# Altium PCB Mirny.PcbDoc (part 2 of 8)
Units mm, origin at the board's own origin, x right, y up, seen from the top; angles counter-clockwise.
Board outline 161.99 x 100.04 mm, 6 copper layers (L1, P2, L3, L4, P5, L6), stack 1.56 mm thick; 832 components, 485 nets, 2438 pads, 1482 vias.
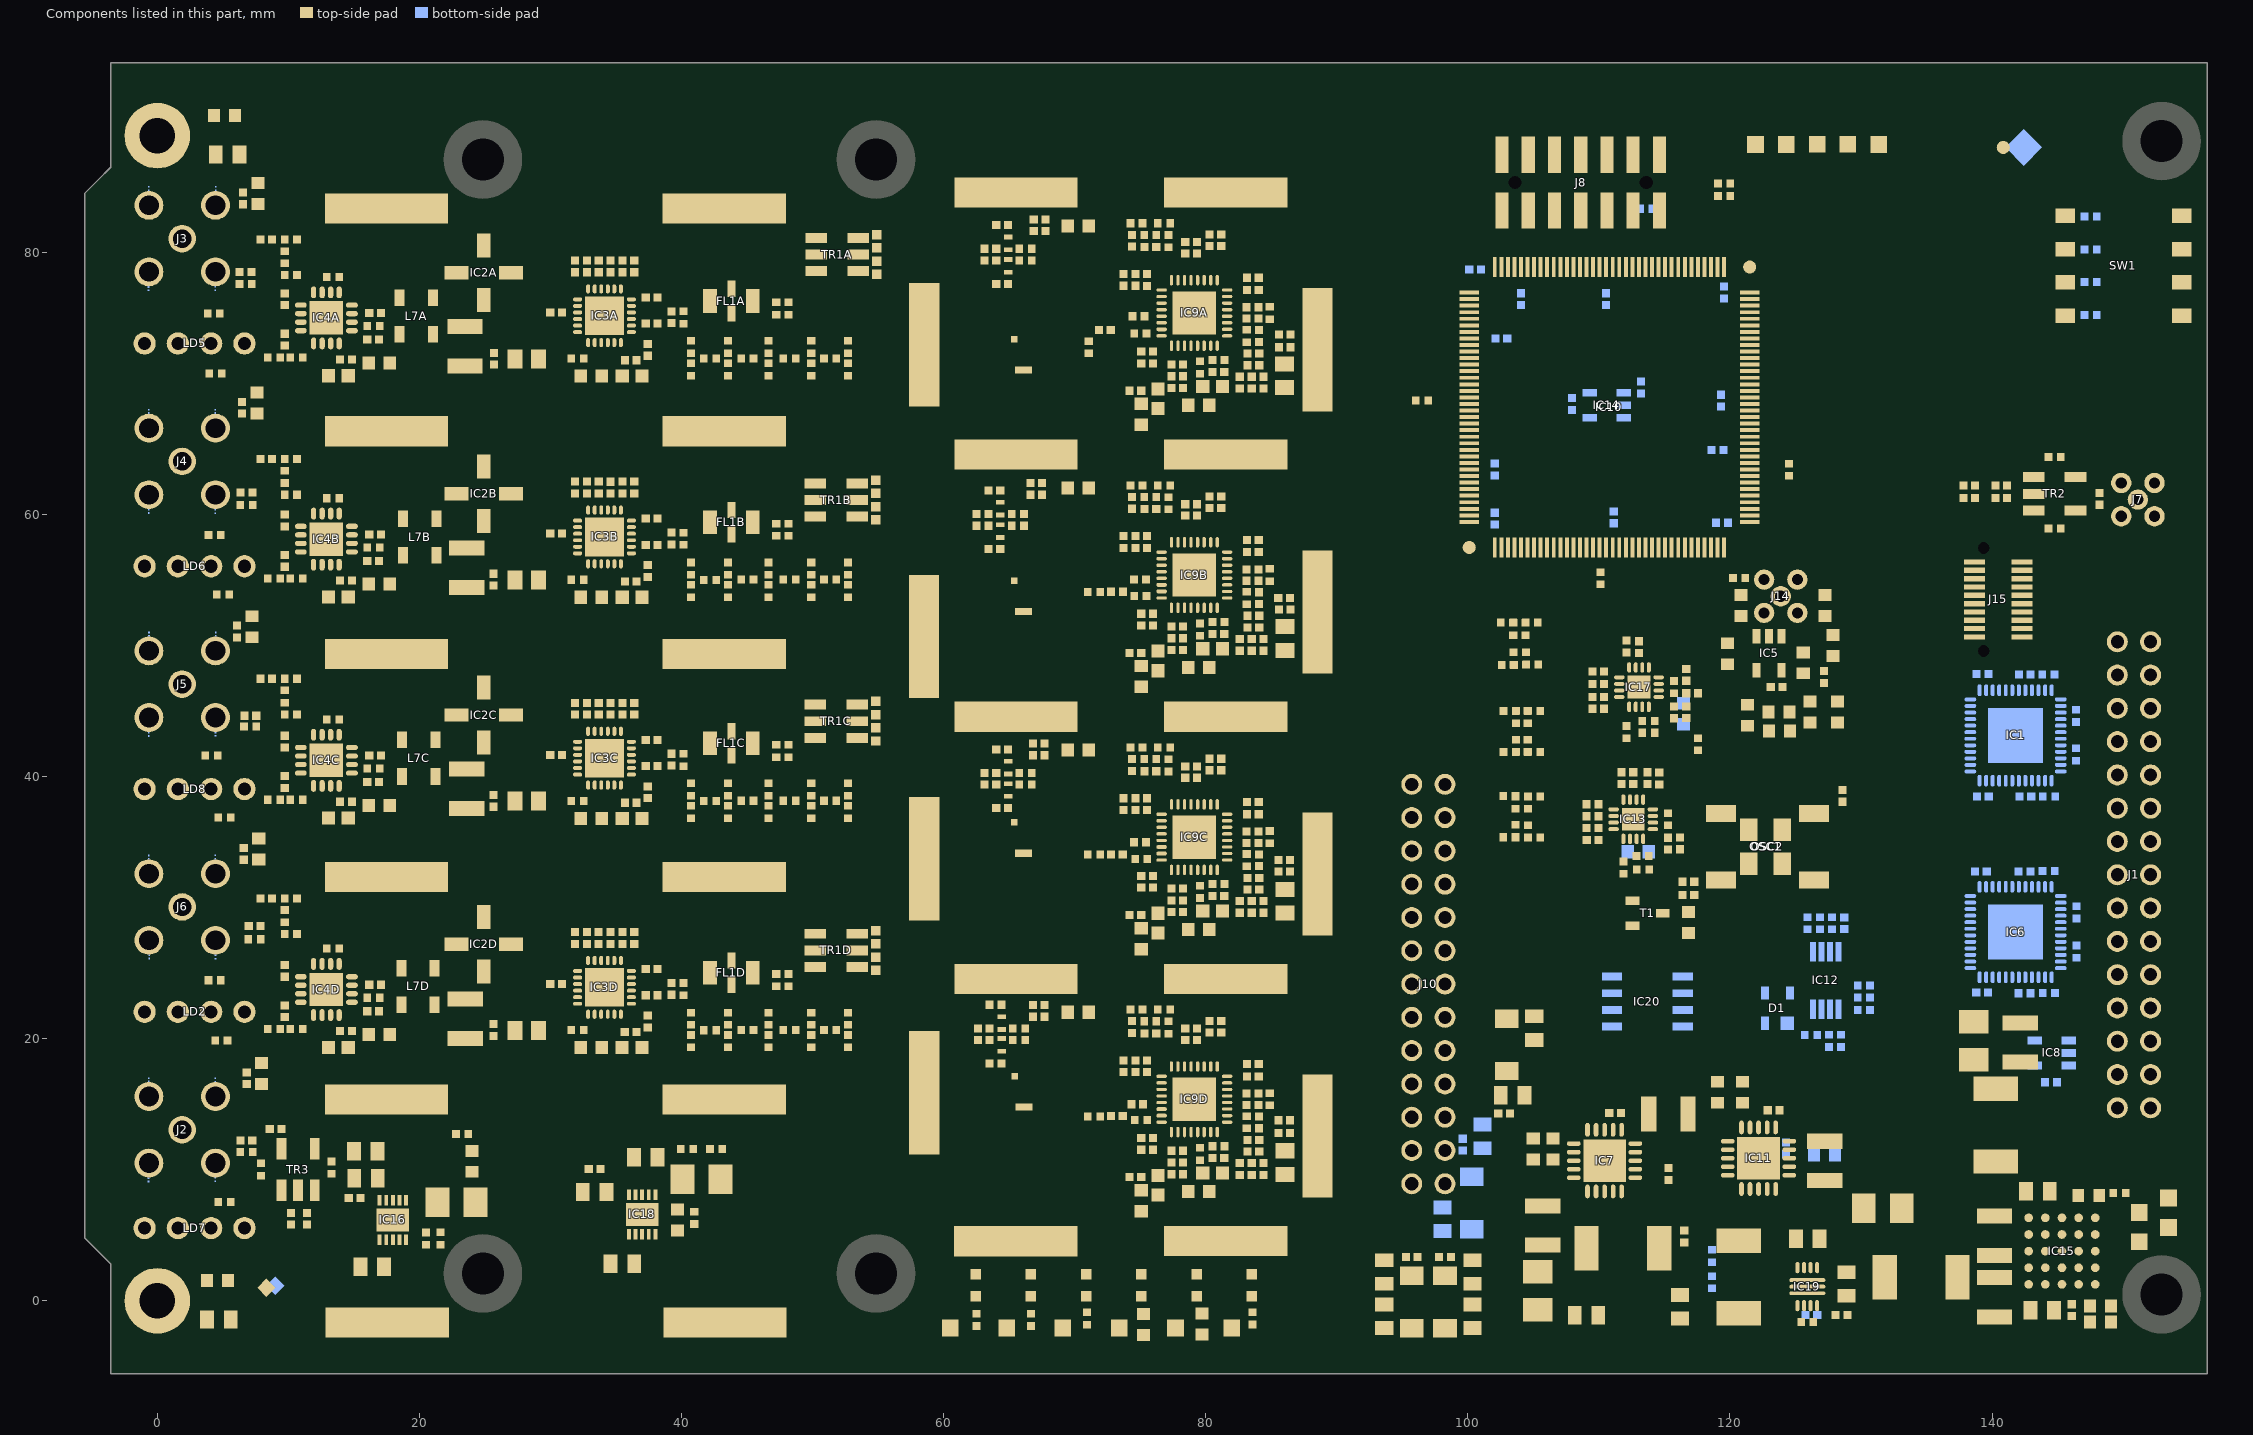
[diagram p6: the components of this part, seen from the top]

## Components (designator, comment, footprint, x,y, rotation, side; value= is the part's Value field where it differs from the comment) (continued)
IC4A "HMC349ALP4CE" QFN65P400X400X100-17N-S255 12.902,75 r180 top (schematic designator IC4)
IC4B "HMC349ALP4CE" QFN65P400X400X100-17N-S255 12.902,58.12 r180 top (schematic designator IC4)
IC4C "HMC349ALP4CE" QFN65P400X400X100-17N-S255 12.902,41.241 r180 top (schematic designator IC4)
IC4D "HMC349ALP4CE" QFN65P400X400X100-17N-S255 12.9,23.754 r180 top (schematic designator IC4)
IC5 "LMV321ILT" SOT95P280X145-5N 122.985,49.411 r270 top
IC6 "SN65MLVD040RGZT" QFN50P700X700X100-49N-S420 141.794,28.138 r180 bottom
IC7 "TPS74901RGWT" QFN65P500X500X100-21N-S325 110.431,10.695 r90 top
IC8 "24AA02E48T-I/OT" SOT95P280X145-5N 144.544,18.913 r180 bottom
IC9A "ADF4355" CP-32-7_N 79.13,75.378 r270 top (schematic designator IC9)
IC9B "ADF4355" CP-32-7_N 79.13,55.378 r270 top (schematic designator IC9)
IC9C "ADF4355" CP-32-7_N 79.13,35.378 r270 top (schematic designator IC9)
IC9D "ADF4355" CP-32-7_N 79.13,15.378 r270 top (schematic designator IC9)
IC10 "XC2C128-6TQG144C" QFP50P2200X2200X160-144N 110.804,68.184 r0 top
IC11 "TPS74901RGWT" QFN65P500X500X100-21N-S325 122.181,10.88 r90 top
IC12 "LM75AIMM/NOPB" SOP65P490X109-8N 127.317,24.442 r90 bottom
IC13 "Si53340-B-GM" QFN50P300X300X90-17N-S175 112.622,36.744 r90 top
IC14 "LP3990MF-1.8/NOPB" SOT95P284X122-5N 110.594,68.336 r180 bottom
IC15 "LTM4622AEV#PBF" LGA25C127P5X5_625X625X190 145.334,3.791 r0 top
IC16 "LT3045EDD#PBF" SON50P300X300X80-11N-R175X248 17.97,6.175 r90 top
IC17 "Si53340-B-GM" QFN50P300X300X90-17N-S175 113.059,46.825 r90 top
IC18 "LT3045EDD#PBF" SON50P300X300X80-11N-R175X248 37,6.597 r90 top
IC19 "TPS62148RGX" TEXAS_RGX0011A 125.902,1.077 r180 top
IC20 "24AA02E48-I/SN" SOIC127P600X175-8N 113.699,22.828 r180 bottom
J1 "" 3M_N2530-6002RB 150.828,32.507 r270 top locked
J2 "DELOCK_65848" Delock 1.9,13.05 r180 top locked
J3 "DELOCK_65848" Delock 1.9,81.05 r180 top locked
J4 "DELOCK_65848" Delock 1.9,64.05 r180 top locked
J5 "DELOCK_65848" Delock 1.9,47.05 r180 top locked
J6 "DELOCK_65848" Delock 1.9,30.05 r180 top locked
J7 "MMCX" SAMTEC_MMCX-J-P-H-ST-TH1 151.125,61.137 r180 top locked
J8 "Milli-Grid™" MOLEX_87832-1420 108.611,85.324 r180 top
J9 "SMP" MOLEX_85305-0232 63.04,71.01 r270 top
J10 "Header 26" 3M_N2526-6002RB 96.989,24.169 r270 top locked
J11 "SMP" MOLEX_85305-0232 63.041,52.583 r270 top
J12 "SMP" MOLEX_85305-0232 63.04,34.149 r270 top
J13 "SMP" MOLEX_85305-0232 63.079,14.783 r270 top
J14 "MMCX" SAMTEC_MMCX-J-P-H-ST-TH1 123.876,53.759 r0 top
J15 "" SAMTEC_LSS-110-01-L-DV-A 140.469,53.513 r90 top
L1 "120R@100MHz" INDC1608X95N 116.828,28.867 r270 top
L2 "1.5uH" IND_TDK_SPM6530 134.584,1.791 r180 top
L3 "120R@100MHz" INDC1608X95N 116.447,44.806 r270 bottom
L4 "1.5uH" IND_TDK_SPM6530 120.661,1.816 r90 top
L5 "1.5uH" IND_TDK_SPM6530 111.831,4.013 r180 top
L6A "120R@100MHz" INDC1608X95N 75.078,67.638 r270 top (schematic designator L6)
L6B "120R@100MHz" INDC1608X95N 75.078,47.638 r270 top (schematic designator L6)
L6C "120R@100MHz" INDC1608X95N 75.078,27.638 r270 top (schematic designator L6)
L6D "120R@100MHz" INDC1608X95N 75.078,7.638 r270 top (schematic designator L6)
L7A "0.5uH@200mA" IND_MINI-CIRCUITS_GU1604 19.753,75.137 r180 top (schematic designator L7)
L7B "0.5uH@200mA" IND_MINI-CIRCUITS_GU1604 20.031,58.273 r180 top (schematic designator L7)
L7C "0.5uH@200mA" IND_MINI-CIRCUITS_GU1604 19.952,41.406 r180 top (schematic designator L7)
L7D "0.5uH@200mA" IND_MINI-CIRCUITS_GU1604 19.894,23.989 r180 top (schematic designator L7)
L8A "390R@100MHz" INDC1608X95N 16.948,71.564 r0 top (schematic designator L8)
L8B "390R@100MHz" INDC1608X95N 16.948,54.685 r0 top (schematic designator L8)
L8C "390R@100MHz" INDC1608X95N 16.948,37.806 r0 top (schematic designator L8)
L8D "390R@100MHz" INDC1608X95N 16.946,20.318 r0 top (schematic designator L8)
L9A "390R@100MHz" INDC1608X95N 33.123,70.564 r0 top (schematic designator L9)
L9B "390R@100MHz" INDC1608X95N 33.123,53.685 r0 top (schematic designator L9)
L9C "390R@100MHz" INDC1608X95N 33.123,36.806 r0 top (schematic designator L9)
L9D "390R@100MHz" INDC1608X95N 33.121,19.318 r0 top (schematic designator L9)
L10 "180R@100MHz" INDC4516X180N 102.964,19.529 r90 top
L11A "4.7uH" INDC2012X145N 86.027,70.58 r90 top (schematic designator L11)
L11B "4.7uH" INDC2012X145N 86.043,50.536 r90 top (schematic designator L11)
L11C "4.7uH" INDC2012X145N 86.043,30.489 r90 top (schematic designator L11)
L11D "4.7uH" INDC2012X145N 86.043,10.552 r90 top (schematic designator L11)
L12 "180R@100MHz" INDC4516X180N 100.291,7.469 r90 bottom
L13 "120R@100MHz" INDC1608X95N 113.018,34.265 r180 bottom
L14 "180R@100MHz" INDC4516X180N 95.719,-0.088 r90 top
L15 "1.5uH" IND_TDK_SPM6530 140.267,13.411 r90 top
L16A "7.5nH" IND_COILCRAFT_0402DC 64.92,80.683 r270 top (schematic designator L16)
L16B "7.5nH" IND_COILCRAFT_0402DC 64.325,60.438 r270 top (schematic designator L16)
L16C "7.5nH" IND_COILCRAFT_0402DC 64.92,40.683 r270 top (schematic designator L16)
L16D "7.5nH" IND_COILCRAFT_0402DC 64.44,21.184 r270 top (schematic designator L16)
L17A "7.5nH" IND_COILCRAFT_0402DC 64.92,78.978 r90 top (schematic designator L17)
L17B "7.5nH" IND_COILCRAFT_0402DC 64.325,58.733 r90 top (schematic designator L17)
L17C "7.5nH" IND_COILCRAFT_0402DC 64.92,38.978 r90 top (schematic designator L17)
L17D "7.5nH" IND_COILCRAFT_0402DC 64.44,19.533 r90 top (schematic designator L17)
L18A "120R@100MHz" INDC1608X95N 70.273,82.017 r0 top (schematic designator L18)
L18B "120R@100MHz" INDC1608X95N 70.273,62.017 r0 top (schematic designator L18)
L18C "120R@100MHz" INDC1608X95N 70.273,42.016 r0 top (schematic designator L18)
L18D "120R@100MHz" INDC1608X95N 70.273,22.016 r0 top (schematic designator L18)
L20A "120R@100MHz" INDC1608X95N 79.474,68.336 r0 top (schematic designator L20)
L20B "120R@100MHz" INDC1608X95N 79.474,48.336 r0 top (schematic designator L20)
L20C "120R@100MHz" INDC1608X95N 79.474,28.336 r0 top (schematic designator L20)
L20D "120R@100MHz" INDC1608X95N 79.474,8.336 r0 top (schematic designator L20)
L21 "180R@100MHz" INDC4516X180N 98.259,-0.088 r270 top
LD2 "Red/Green" LED_DIALIGHT_571-0112F -0.971,22.05 r0 top locked
LD3 "Green" LED_KINGBRIGHT_KPH-1608CGCKr 83.524,1.185 r270 top
LD4 "Green" LED_KINGBRIGHT_KPH-1608CGCKr 70.876,1.185 r270 top
LD5 "Red/Green" LED_DIALIGHT_571-0112F -0.971,73.05 r0 top locked
LD6 "Red/Green" LED_DIALIGHT_571-0112F -0.971,56.05 r0 top locked
LD7 "Red/Green" LED_DIALIGHT_571-0112F -0.971,5.55 r0 top locked
LD8 "Red/Green" LED_DIALIGHT_571-0112F -0.971,39.05 r0 top locked
LD9 "Green" LED_KINGBRIGHT_KPH-1608CGCKr 75.092,1.185 r270 top
LD10 "Green" LED_KINGBRIGHT_KPH-1608CGCKr 62.444,1.185 r270 top
LD11 "Green" LED_KINGBRIGHT_KPH-1608CGCKr 66.66,1.185 r270 top
LD12 "Green" LED_KINGBRIGHT_KPH-1608CGCKr 79.308,1.185 r270 top
NT1 "Net Tie" "Net Tie" 4.414,77.371 r270 bottom net-tie
NT2 "Net Tie" "Net Tie" -0.667,77.353 r270 bottom net-tie
NT3 "Net Tie" "Net Tie" -0.654,84.75 r90 bottom net-tie
NT4 "Net Tie" "Net Tie" 4.462,84.748 r90 bottom net-tie
NT5 "Net Tie" "Net Tie" 4.428,60.359 r270 bottom net-tie
NT6 "Net Tie" "Net Tie" 4.428,67.749 r90 bottom net-tie
NT7 "Net Tie" "Net Tie" -0.641,67.749 r90 bottom net-tie
NT8 "Net Tie" "Net Tie" -0.659,60.361 r270 bottom net-tie
NT9 "Net Tie" "Net Tie" 4.45,50.745 r90 bottom net-tie
NT10 "Net Tie" "Net Tie" -0.642,43.356 r270 bottom net-tie
NT11 "Net Tie" "Net Tie" 4.441,43.358 r270 bottom net-tie
NT12 "Net Tie" "Net Tie" -0.63,50.745 r90 bottom net-tie
NT13 "Net Tie" "Net Tie" 4.428,33.74 r90 bottom net-tie
NT14 "Net Tie" "Net Tie" -0.615,26.368 r270 bottom net-tie
NT15 "Net Tie" "Net Tie" 4.445,26.364 r270 bottom net-tie
NT16 "Net Tie" "Net Tie" -0.66,33.73 r90 bottom net-tie
NT17 "Net Tie" "Net Tie" 4.426,9.381 r270 bottom net-tie
NT18 "Net Tie" "Net Tie" -0.675,9.358 r270 bottom net-tie
NT19 "Net Tie" "Net Tie" 4.418,16.727 r90 bottom net-tie
NT20 "Net Tie" "Net Tie" -0.649,16.74 r90 bottom net-tie
OSC1 "510CCA100M000BAG" 510CBA49M1520BAG 123.114,34.646 r90 top
OSC2 "100MHz" OSC_CRYSTEK_CCHD-950 122.86,34.646 r180 top
R1 "10k" RESC1005X40N 124.504,63.415 r90 top
R2 "4k99" RESC1608X55N 119.812,49.378 r270 top
R3 "49R9" RESC1005X40N 115.726,46.825 r270 top
R4A "100" RESC1005X40N 84.882,75.378 r270 top (schematic designator R4)
R4B "100" RESC1005X40N 84.882,55.378 r270 top (schematic designator R4)
R4C "100" RESC1005X40N 84.882,35.378 r270 top (schematic designator R4)
R4D "100" RESC1005X40N 84.882,15.378 r270 top (schematic designator R4)
R5 "0" RESC1005X40N 103.167,38.507 r0 top
R6A "0" RESC1005X40N 66.254,80.275 r180 top (schematic designator R6)
R6B "0" RESC1005X40N 65.659,60.03 r180 top (schematic designator R6)
R6C "0" RESC1005X40N 66.254,40.275 r180 top (schematic designator R6)
R6D "0" RESC1005X40N 65.746,20.783 r180 top (schematic designator R6)
R7 "100" RESC1005X40N 144.294,47.788 r0 bottom
R8A "0" RESC1005X40N 66.254,79.386 r180 top (schematic designator R8)
R8B "0" RESC1005X40N 65.659,59.141 r180 top (schematic designator R8)
R8C "0" RESC1005X40N 66.254,39.386 r180 top (schematic designator R8)
R8D "0" RESC1005X40N 65.746,19.894 r180 top (schematic designator R8)
R9 "100" RESC1005X40N 146.419,44.638 r270 bottom
R10 "470" RESC1005X40N 112.106,43.387 r90 top
R11 "100" RESC1005X40N 146.394,41.688 r270 bottom
R12A "0" RESC1005X40N 83.125,73.622 r270 top (schematic designator R12)
R12B "0" RESC1005X40N 83.125,53.622 r270 top (schematic designator R12)
R12C "0" RESC1005X40N 83.125,33.622 r270 top (schematic designator R12)
R12D "0" RESC1005X40N 83.125,13.622 r270 top (schematic designator R12)
R13 "100" RESC1005X40N 144.344,38.488 r180 bottom
R14A "1k2" RESC1005X40N 75.766,81.332 r0 top (schematic designator R14)
R14B "1k2" RESC1005X40N 75.766,61.332 r0 top (schematic designator R14)
R14C "1k2" RESC1005X40N 75.766,41.332 r0 top (schematic designator R14)
R14D "1k2" RESC1005X40N 75.766,21.332 r0 top (schematic designator R14)
R15A "4k7" RESC1005X40N 79.569,71.209 r270 top (schematic designator R15)
R15B "4k7" RESC1005X40N 79.569,51.209 r270 top (schematic designator R15)
R15C "4k7" RESC1005X40N 79.569,31.209 r270 top (schematic designator R15)
R15D "4k7" RESC1005X40N 79.569,11.209 r270 top (schematic designator R15)
R16 "100" RESC1005X40N 144.319,32.788 r0 bottom
R17A "1k2" RESC1005X40N 77.162,80.856 r90 top (schematic designator R17)
R17B "1k2" RESC1005X40N 77.162,60.856 r90 top (schematic designator R17)
R17C "1k2" RESC1005X40N 77.162,40.856 r90 top (schematic designator R17)
R17D "1k2" RESC1005X40N 77.162,20.856 r90 top (schematic designator R17)
R18A "1k2" RESC1005X40N 76.822,82.221 r180 top (schematic designator R18)
R18B "1k2" RESC1005X40N 76.822,62.221 r180 top (schematic designator R18)
R18C "1k2" RESC1005X40N 76.822,42.221 r180 top (schematic designator R18)
R18D "1k2" RESC1005X40N 76.822,22.221 r180 top (schematic designator R18)
R19A "0" RESC1005X40N 52.698,72.777 r270 top (schematic designator R19)
R19B "0" RESC1005X40N 52.698,55.865 r270 top (schematic designator R19)
R19C "0" RESC1005X40N 52.696,39.018 r270 top (schematic designator R19)
R19D "0" RESC1005X40N 52.696,21.523 r270 top (schematic designator R19)
R20A "0" RESC1005X40N 49.898,72.777 r270 top (schematic designator R20)
R20B "0" RESC1005X40N 49.898,55.865 r270 top (schematic designator R20)
R20C "0" RESC1005X40N 49.898,39.018 r270 top (schematic designator R20)
R20D "0" RESC1005X40N 49.896,21.523 r270 top (schematic designator R20)
R21 "100" RESC1005X40N 146.444,29.638 r270 bottom
R22A "0" RESC1005X40N 46.648,72.777 r270 top (schematic designator R22)
R22B "0" RESC1005X40N 46.648,55.865 r270 top (schematic designator R22)
R22C "0" RESC1005X40N 46.648,39.018 r270 top (schematic designator R22)
R22D "0" RESC1005X40N 46.646,21.523 r270 top (schematic designator R22)
R23 "4k7" RESC1608X55N 106.494,11.586 r270 top
R24 "100" RESC1005X40N 146.444,26.638 r270 bottom
R25 "470" RESC1005X40N 4.373,24.457 r180 top
R26 "470" RESC1005X40N 4.884,19.85 r0 top
R27 "470" RESC1005X40N 4.307,75.325 r180 top
R28 "470" RESC1005X40N 4.434,70.764 r180 top
R29 "470" RESC1005X40N 4.373,58.445 r180 top
R30 "470" RESC1005X40N 5.007,53.885 r0 top
R31A "0" RESC1005X40N 43.548,72.777 r270 top (schematic designator R31)
R31B "0" RESC1005X40N 43.548,55.865 r270 top (schematic designator R31)
R31C "0" RESC1005X40N 43.548,39.018 r270 top (schematic designator R31)
R31D "0" RESC1005X40N 43.546,21.523 r270 top (schematic designator R31)
R32A "0" RESC1005X40N 40.723,72.777 r270 top (schematic designator R32)
R32B "0" RESC1005X40N 40.725,55.865 r270 top (schematic designator R32)
R32C "0" RESC1005X40N 40.723,39.018 r270 top (schematic designator R32)
R32D "0" RESC1005X40N 40.721,21.523 r270 top (schematic designator R32)
R33 "10k" RESC1005X40N 83.578,-1.334 r90 top
R34A "0" RESC1005X40N 51.34,71.914 r180 top (schematic designator R34)
R34B "0" RESC1005X40N 51.34,55.035 r180 top (schematic designator R34)
R34C "0" RESC1005X40N 51.34,38.156 r180 top (schematic designator R34)
R34D "0" RESC1005X40N 51.338,20.668 r180 top (schematic designator R34)
R35 "100" RESC1005X40N 144.336,23.484 r180 bottom
R36A "0" RESC1005X40N 48.24,71.914 r180 top (schematic designator R36)
R36B "0" RESC1005X40N 48.24,55.035 r180 top (schematic designator R36)
R36C "0" RESC1005X40N 48.24,38.156 r180 top (schematic designator R36)
R36D "0" RESC1005X40N 48.238,20.668 r180 top (schematic designator R36)
R37A "0" RESC1005X40N 45.024,71.914 r180 top (schematic designator R37)
R37B "0" RESC1005X40N 45.024,55.035 r180 top (schematic designator R37)
R37C "0" RESC1005X40N 45.024,38.156 r180 top (schematic designator R37)
R37D "0" RESC1005X40N 45.022,20.668 r180 top (schematic designator R37)
R38A "0" RESC1005X40N 42.173,71.889 r0 top (schematic designator R38)
R38B "0" RESC1005X40N 42.173,55.01 r0 top (schematic designator R38)
R38C "0" RESC1005X40N 42.173,38.131 r0 top (schematic designator R38)
R38D "0" RESC1005X40N 42.171,20.643 r0 top (schematic designator R38)
R39A "0" RESC1005X40N 52.698,71.059 r90 top (schematic designator R39)
R39B "0" RESC1005X40N 52.698,54.166 r90 top (schematic designator R39)
R39C "0" RESC1005X40N 52.698,37.3 r90 top (schematic designator R39)
R39D "0" RESC1005X40N 52.696,19.813 r90 top (schematic designator R39)
R40A "0" RESC1005X40N 49.898,71.059 r90 top (schematic designator R40)
R40B "0" RESC1005X40N 49.898,54.166 r90 top (schematic designator R40)
R40C "0" RESC1005X40N 49.898,37.3 r90 top (schematic designator R40)
R40D "0" RESC1005X40N 49.896,19.813 r90 top (schematic designator R40)
R41A "0" RESC1005X40N 46.648,71.059 r90 top (schematic designator R41)
R41B "0" RESC1005X40N 46.648,54.166 r90 top (schematic designator R41)
R41C "0" RESC1005X40N 46.648,37.3 r90 top (schematic designator R41)
R41D "0" RESC1005X40N 46.646,19.813 r90 top (schematic designator R41)
R42A "0" RESC1005X40N 43.548,71.059 r90 top (schematic designator R42)
R42B "0" RESC1005X40N 43.548,54.166 r90 top (schematic designator R42)
R42C "0" RESC1005X40N 43.548,37.3 r90 top (schematic designator R42)
R42D "0" RESC1005X40N 43.546,19.813 r90 top (schematic designator R42)
R43 "470" RESC1005X40N 4.128,41.606 r180 top
R44 "470" RESC1005X40N 5.125,36.881 r0 top
R45A "0" RESC1005X40N 40.723,71.059 r90 top (schematic designator R45)
R45B "0" RESC1005X40N 40.724,54.166 r90 top (schematic designator R45)
R45C "0" RESC1005X40N 40.723,37.3 r90 top (schematic designator R45)
R45D "0" RESC1005X40N 40.721,19.813 r90 top (schematic designator R45)
R46A "39R" RESC3225X70N 23.476,72.841 r90 top (schematic designator R46)
R46B "39R" RESC3225X70N 23.613,55.944 r90 top (schematic designator R46)
R46C "39R" RESC3225X70N 23.613,39.065 r90 top (schematic designator R46)
R46D "39R" RESC3225X70N 23.508,21.52 r90 top (schematic designator R46)
R47A "0" RESC1005X40N 48.169,75.712 r270 top (schematic designator R47)
R47B "0" RESC1005X40N 48.169,58.833 r270 top (schematic designator R47)
R47C "0" RESC1005X40N 48.169,41.954 r270 top (schematic designator R47)
R47D "0" RESC1005X40N 48.167,24.466 r270 top (schematic designator R47)
R48A "0" RESC1005X40N 40.143,75.028 r90 top (schematic designator R48)
R48B "0" RESC1005X40N 40.143,58.149 r90 top (schematic designator R48)
R48C "0" RESC1005X40N 40.143,41.27 r90 top (schematic designator R48)
R48D "0" RESC1005X40N 40.141,23.782 r90 top (schematic designator R48)
R49A "0" RESC1005X40N 47.229,75.712 r270 top (schematic designator R49)
R49B "0" RESC1005X40N 47.229,58.833 r270 top (schematic designator R49)
R49C "0" RESC1005X40N 47.229,41.954 r270 top (schematic designator R49)
R49D "0" RESC1005X40N 47.227,24.466 r270 top (schematic designator R49)
R50 "470" RESC1005X40N 32.059,71.904 r0 top
R51A "0" RESC1005X40N 9.721,79.629 r90 top (schematic designator R51)
R51B "0" RESC1005X40N 9.721,62.869 r90 top (schematic designator R51)
R51C "0" RESC1005X40N 9.722,46.109 r90 top (schematic designator R51)
R51D "0" RESC1005X40N 9.722,29.349 r90 top (schematic designator R51)
R52A "0" RESC1005X40N 10.191,78.27 r180 top (schematic designator R52)
R52B "0" RESC1005X40N 10.191,61.51 r180 top (schematic designator R52)
R52C "0" RESC1005X40N 10.192,44.75 r180 top (schematic designator R52)
R52D "0" RESC1005X40N 10.192,27.99 r180 top (schematic designator R52)
R53 "5k6" RESC1608X55N 127.222,11.122 r0 bottom
R54A "0" RESC1005X40N 10.191,80.988 r180 top (schematic designator R54)
R54B "0" RESC1005X40N 10.191,64.228 r180 top (schematic designator R54)
R54C "0" RESC1005X40N 10.192,47.468 r180 top (schematic designator R54)
R54D "0" RESC1005X40N 10.192,30.708 r180 top (schematic designator R54)
R55 "24k" RESC1608X55N 148.281,-0.392 r0 top
R56A "4k7" RESC1005X40N 13.407,78.119 r0 top (schematic designator R56)
R56B "4k7" RESC1005X40N 13.407,61.239 r0 top (schematic designator R56)
R56C "4k7" RESC1005X40N 13.407,44.36 r0 top (schematic designator R56)
R56D "4k7" RESC1005X40N 13.405,26.873 r0 top (schematic designator R56)
R57A "100" RESC1005X40N 8.898,71.989 r180 top (schematic designator R57)
R57B "100" RESC1005X40N 8.898,55.11 r180 top (schematic designator R57)
R57C "100" RESC1005X40N 8.898,38.231 r180 top (schematic designator R57)
R57D "100" RESC1005X40N 8.896,20.743 r180 top (schematic designator R57)
R58A "100" RESC1005X40N 10.623,71.989 r180 top (schematic designator R58)
R58B "100" RESC1005X40N 10.623,55.11 r180 top (schematic designator R58)
R58C "100" RESC1005X40N 10.623,38.231 r180 top (schematic designator R58)
R58D "100" RESC1005X40N 10.621,20.743 r180 top (schematic designator R58)
R59A "4k7" RESC1005X40N 16.502,74.37 r180 top (schematic designator R59)
R59B "4k7" RESC1005X40N 16.502,57.49 r180 top (schematic designator R59)
R59C "4k7" RESC1005X40N 16.502,40.611 r180 top (schematic designator R59)
R59D "4k7" RESC1005X40N 16.5,23.123 r180 top (schematic designator R59)
R60 "100k" RESC1005X40N 6.8,11.362 r0 top
R61 "49R9" RESC1005X40N 113.342,33.931 r180 top
R62 "100" RESC1005X40N 113.372,32.919 r180 top
R63 "0" RESC1005X40N 105.06,38.482 r180 top
R64 "100k" RESC1005X40N 6.739,77.585 r0 top
R65 "100k" RESC1005X40N 6.799,60.713 r0 top
R66 "10k" RESC1005X40N 113.611,83.324 r0 bottom
R67 "10k" RESC1005X40N 110.611,82.824 r90 bottom
R68A "49R9" RESC1005X40N 71.073,72.763 r270 top (schematic designator R68)
R68B "49R9" RESC1005X40N 71.468,54.087 r180 top (schematic designator R68)
R68C "49R9" RESC1005X40N 71.468,34.064 r180 top (schematic designator R68)
R68D "49R9" RESC1005X40N 71.468,14.064 r180 top (schematic designator R68)
R69 "100" RESC1005X40N 115.28,36.744 r270 top
R70 "49R9" RESC1005X40N 113.78,44.234 r180 top
R71 "100" RESC1005X40N 113.78,43.345 r180 top
R73 "0" RESC1005X40N 144.776,64.378 r180 top
R74 "100k" RESC1005X40N 7.081,43.834 r0 top
R75 "100k" RESC1005X40N 7.411,27.587 r0 top
R76 "0" RESC1005X40N 120.701,55.156 r180 top
R77 "47k" RESC1608X55N 120.828,53.061 r90 top
R78 "470" RESC1608X55N 121.336,44.679 r270 top
R79 "47k" RESC1608X55N 127.242,53.061 r90 top
R80 "1k5" RESC1608X55N 104.994,11.586 r90 top
R81 "0" RESC1005X40N 13.296,10.162 r270 top
R82 "24k" RESC1608X55N 148.281,-1.613 r0 top
R83 "10k" RESC1005X40N 147.524,77.733 r0 bottom
R84 "4k99" RESC1608X55N 125.591,48.679 r90 top
R85 "10k" RESC1005X40N 147.524,80.233 r0 bottom
R86 "10k" RESC1005X40N 147.524,82.733 r0 bottom
R87 "470" RESC1608X55N 123.774,43.472 r0 top
R88 "470" RESC1005X40N 111.872,33.054 r90 top
R90 "100" RESC1005X40N 117.554,42.468 r90 top
R91 "470" RESC1608X55N 123.749,44.933 r0 top
R92 "0" RESC1608X55N 7.961,17.34 r270 top
R93 "0" RESC1608X55N 7.676,84.485 r270 top
R94 "0" RESC1608X55N 7.607,68.506 r270 top
R95 "0" RESC1608X55N 7.231,51.431 r270 top
R96 "0" RESC1608X55N 5.134,90.444 r0 top
R97 "0" RESC1608X55N 7.737,34.467 r270 top
R98 "470" RESC1608X55N 128.194,44.933 r90 top
R99 "470" RESC1608X55N 126.099,44.933 r270 top
R100 "470" RESC1608X55N 127.877,50.013 r270 top
R101 "470" RESC1005X40N 32.059,55.024 r0 top
R102 "470" RESC1005X40N 32.059,38.145 r0 top
R103A "0" RESC1005X40N 75.008,73.814 r180 top (schematic designator R103)